# Allegro board 1281021_HW-FMC-XM500_Rev1_0.brd (continued)
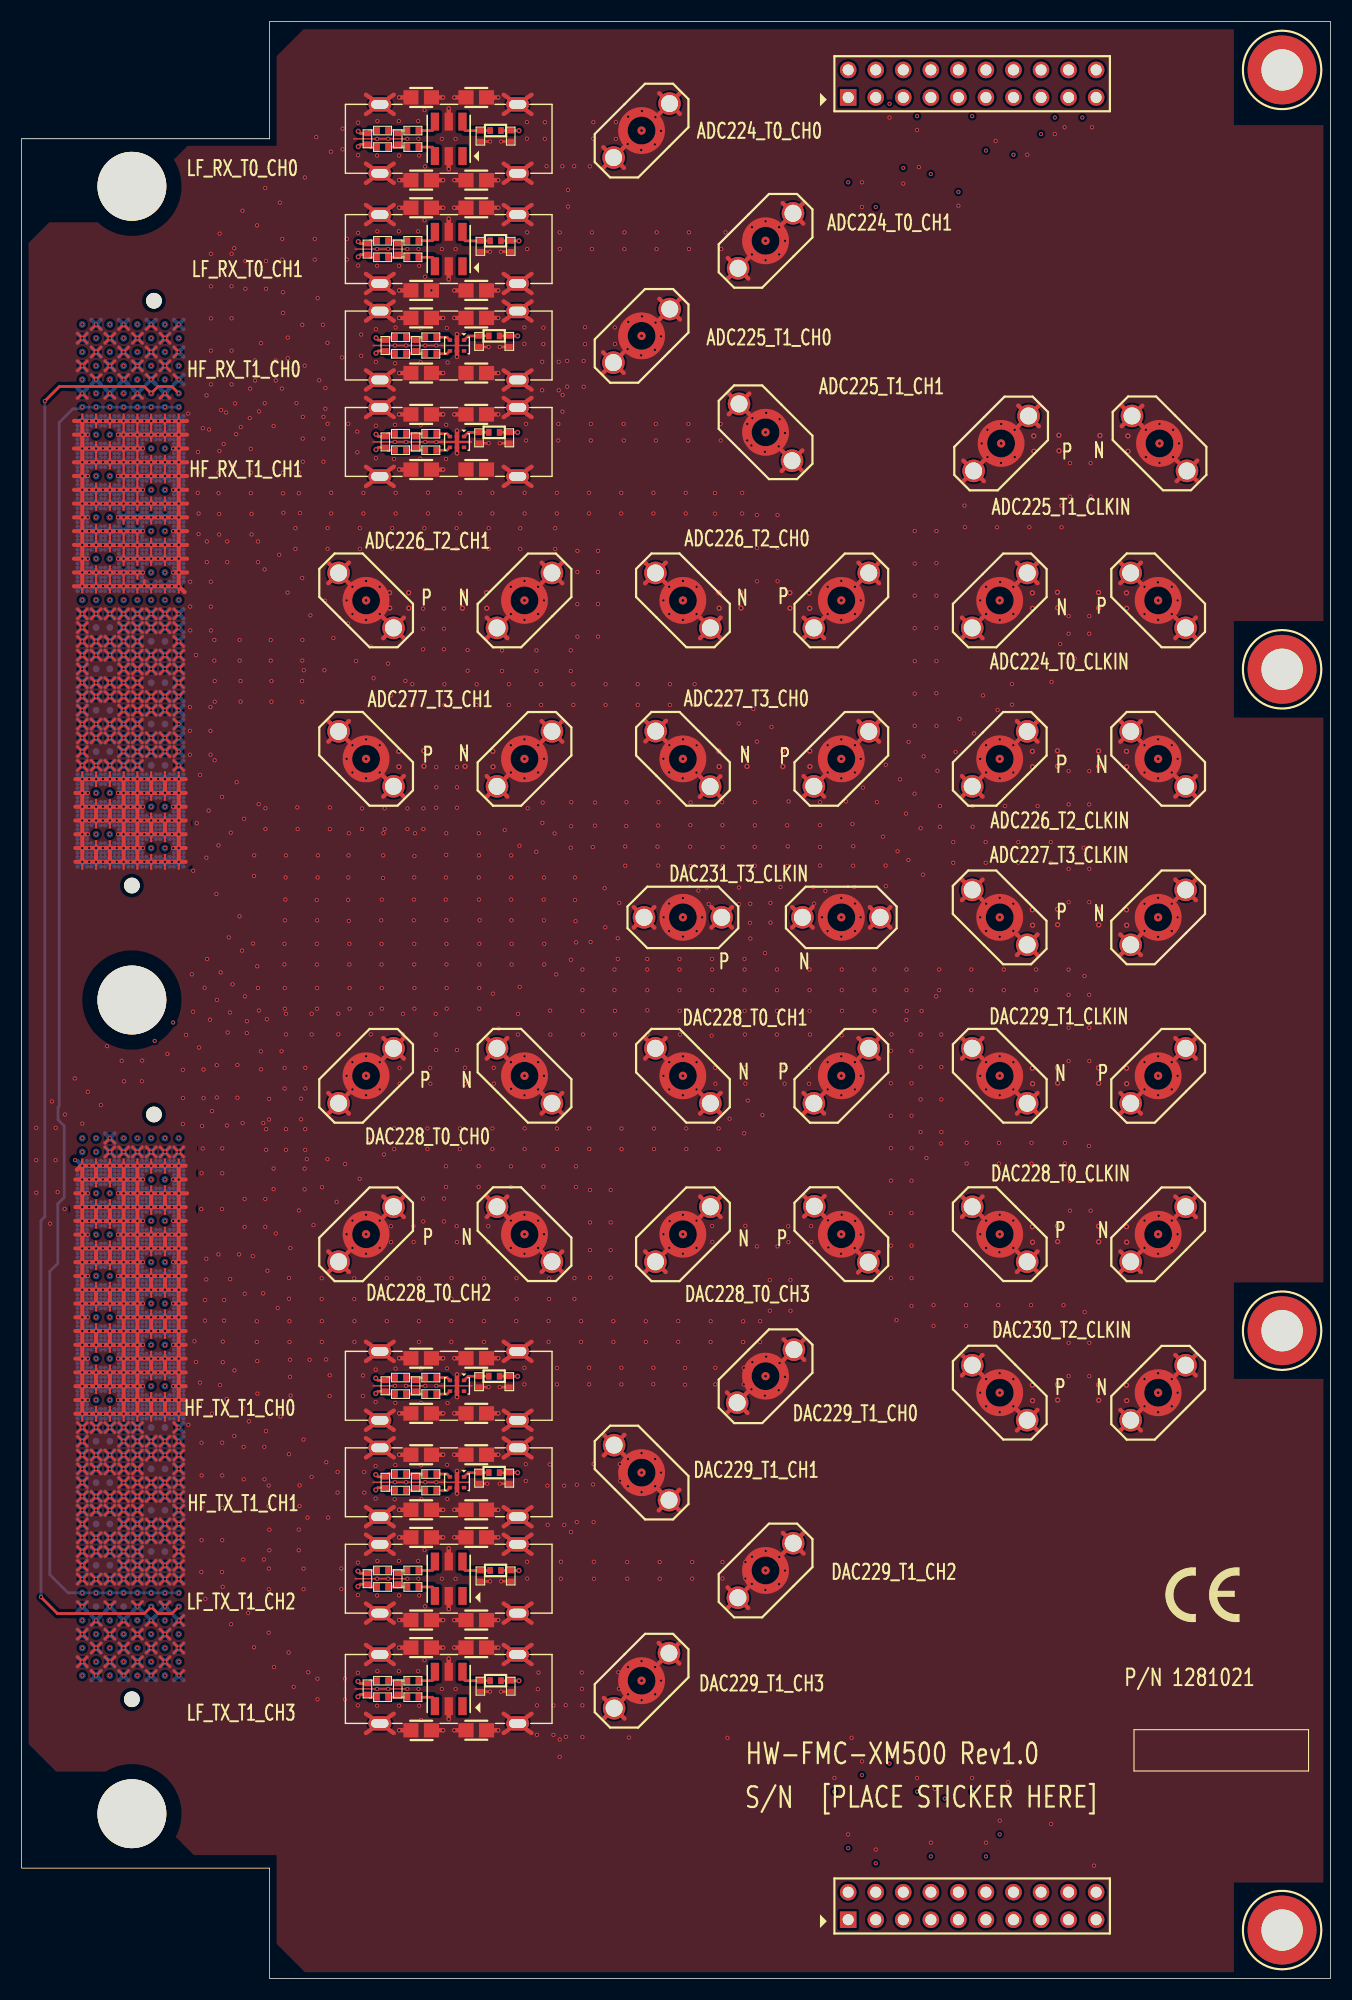
[diagram p0: board, top side]
## Routing (per net, layer and track width the routed paths; a pad name or vN(x,y) marks a point on that pad's centre or on a via; arc(x,y) is an arc through that point) (continued)
J36.2 64.42,110.79 ; J36.2 64.42,108.89 ; J36.2 62.52,108.89 ; J36.2 62.52,110.79 ; J4.3 55.52,168.77 ; J4.3 55.52,166.87 ; J4.3 53.62,166.87 ; J4.3 53.62,168.77 ; v2(14.48,27.91) 14.82,28.25 ; v2(14.48,27.91) 14.82,27.56 ; v2(14.48,27.91) 14.14,28.25 ; v2(14.48,27.91) 14.14,27.56 ; v2(10.67,146.08) 11.01,146.43 ; v2(10.67,146.08) 10.33,146.43 ; v2(10.67,146.08) 11.01,145.74 ; v2(10.67,146.08) 10.33,145.74 ; J39.2 30.17,113.98 ; J39.2 28.27,113.98 ; J39.2 30.17,115.88 ; J39.2 28.27,115.88 ; 12.87,120.34 v2(13.21,120.68) ; v2(13.21,120.68) 13.55,121.03 ; v2(13.21,120.68) 12.87,121.03 ; v2(13.21,120.68) 13.55,120.34 ; 28.27,81.6 J26.3 ; J26.3 30.17,79.7 ; J26.3 28.27,79.7 ; J26.3 30.17,81.6 ; 5.25,47.3 v2(5.59,46.96) ; v2(5.59,46.96) 5.93,46.61 ; v2(5.59,46.96) 5.93,47.3 ; v2(5.59,46.96) 5.25,46.61 ; 7.79,43.49 v2(8.13,43.15) ; v2(8.13,43.15) 8.47,43.49 ; v2(8.13,43.15) 8.47,42.8 ; v2(8.13,43.15) 7.79,42.8 ; v2(13.21,76.17) 13.55,75.82 ; v2(13.21,76.17) 12.87,76.51 ; v2(13.21,76.17) 12.87,75.82 ; v2(13.21,76.17) 13.55,76.51 ; v2(6.86,40.61) 7.2,40.95 ; v2(6.86,40.61) 6.52,40.26 ; v2(6.86,40.61) 7.2,40.26 ; v2(6.86,40.61) 6.52,40.95 ; 44.44,22.6 RFCAGE1.2 ; RFCAGE1.2 47,22.6 ; RFCAGE1.2 47,24.39 ; RFCAGE1.2 44.44,24.39 ; J23.3 44.77,70.16 ; J23.3 42.87,72.06 ; J23.3 44.77,72.06 ; J23.3 42.87,70.16 ; 10.33,47.3 v2(10.67,46.96) ; v2(10.67,46.96) 11.01,47.3 ; v2(10.67,46.96) 10.33,46.61 ; v2(10.67,46.96) 11.01,46.61 ; J34.3 30.17,130.48 ; J34.3 28.27,130.48 ; J34.3 30.17,128.58 ; J34.3 28.27,128.58 ; 57.5,115.9 J36.3 ; J36.3 57.5,114 ; J36.3 59.4,114 ; J36.3 59.4,115.9 ; RFCAGE5.4 34.3,145.67 ; RFCAGE5.4 31.74,145.67 ; RFCAGE5.4 31.74,143.89 ; RFCAGE5.4 34.3,143.89 ; 11.6,30.79 v2(11.94,30.45) ; v2(11.94,30.45) 12.28,30.1 ; v2(11.94,30.45) 11.6,30.1 ; v2(11.94,30.45) 12.28,30.79 ; 5.25,115.26 v2(5.59,115.6) ; v2(5.59,115.6) 5.93,115.95 ; v2(5.59,115.6) 5.25,115.95 ; v2(5.59,115.6) 5.93,115.26 ; J891.2 93.65,96.21 ; J891.2 93.65,94.31 ; J891.2 91.75,94.31 ; J891.2 91.75,96.21 ; 31.74,41.65 RFCAGE3.1 ; RFCAGE3.1 31.74,43.44 ; RFCAGE3.1 34.3,41.65 ; RFCAGE3.1 34.3,43.44 ; J40.3 49.84,113.98 ; J40.3 49.84,115.88 ; J40.3 47.94,113.98 ; J40.3 47.94,115.88 ; v2(10.67,125.76) 11.01,126.11 ; v2(10.67,125.76) 10.33,126.11 ; v2(10.67,125.76) 11.01,125.42 ; v2(10.67,125.76) 10.33,125.42 ; RFCAGE6.2 47,148.21 ; RFCAGE6.2 44.44,148.21 ; RFCAGE6.2 47,146.43 ; RFCAGE6.2 44.44,146.43 ; 9.06,30.1 v2(9.4,30.45) ; v2(9.4,30.45) 9.74,30.79 ; v2(9.4,30.45) 9.74,30.1 ; v2(9.4,30.45) 9.06,30.79 ; J27.2 49.84,79.7 ; J27.2 49.84,81.6 ; J27.2 47.94,81.6 ; J27.2 47.94,79.7 ; v2(8.13,125.76) 8.47,126.11 ; v2(8.13,125.76) 7.79,125.42 ; v2(8.13,125.76) 7.79,126.11 ; v2(8.13,125.76) 8.47,125.42 ; 10.33,40.95 v2(10.67,40.61) ; v2(10.67,40.61) 10.33,40.26 ; v2(10.67,40.61) 11.01,40.95 ; v2(10.67,40.61) 11.01,40.26 ; 12.87,28.83 v2(13.21,29.18) ; v2(13.21,29.18) 12.87,29.52 ; v2(13.21,29.18) 13.55,28.83 ; v2(13.21,29.18) 13.55,29.52 ; v2(9.4,50.77) 9.74,50.42 ; v2(9.4,50.77) 9.06,51.11 ; v2(9.4,50.77) 9.06,50.42 ; v2(9.4,50.77) 9.74,51.11 ; v2(8.13,123.22) 8.47,123.57 ; v2(8.13,123.22) 7.79,123.57 ; v2(8.13,123.22) 8.47,122.88 ; v2(8.13,123.22) 7.79,122.88 ; 31.74,24.39 RFCAGE1.1 ; RFCAGE1.1 34.3,24.39 ; RFCAGE1.1 34.3,22.6 ; RFCAGE1.1 31.74,22.6 ; 14.14,124.84 v2(14.48,124.49) ; v2(14.48,124.49) 14.82,124.84 ; v2(14.48,124.49) 14.14,124.15 ; v2(14.48,124.49) 14.82,124.15 ; v2(8.13,111.79) 8.47,111.45 ; v2(8.13,111.79) 7.79,111.45 ; v2(8.13,111.79) 7.79,112.14 ; v2(8.13,111.79) 8.47,112.14 ; v2(8.13,36.8) 8.47,36.45 ; v2(8.13,36.8) 7.79,37.14 ; v2(8.13,36.8) 7.79,36.45 ; v2(8.13,36.8) 8.47,37.14 ; v2(5.59,111.79) 5.93,111.45 ; v2(5.59,111.79) 5.25,111.45 ; v2(5.59,111.79) 5.25,112.14 ; v2(5.59,111.79) 5.93,112.14 ; v2(5.59,124.49) 5.93,124.15 ; v2(5.59,124.49) 5.25,124.84 ; v2(5.59,124.49) 5.25,124.15 ; v2(5.59,124.49) 5.93,124.84 ; v2(9.4,125.76) 9.74,126.11 ; v2(9.4,125.76) 9.06,125.42 ; v2(9.4,125.76) 9.74,125.42 ; v2(9.4,125.76) 9.06,126.11 ; 9.06,116.53 v2(9.4,116.87) ; v2(9.4,116.87) 9.74,117.22 ; v2(9.4,116.87) 9.06,117.22 ; v2(9.4,116.87) 9.74,116.53 ; 11.6,42.22 v2(11.94,41.88) ; v2(11.94,41.88) 11.6,41.53 ; v2(11.94,41.88) 12.28,42.22 ; v2(11.94,41.88) 12.28,41.53 ; J30.2 103.19,130.48 ; J30.2 101.29,130.48 ; J30.2 101.29,128.58 ; J30.2 103.19,128.58 ; 11.6,120.34 v2(11.94,120.68) ; v2(11.94,120.68) 11.6,121.03 ; v2(11.94,120.68) 12.28,120.34 ; v2(11.94,120.68) 12.28,121.03 ; 5.25,33.91 v2(5.59,34.26) ; v2(5.59,34.26) 5.93,34.6 ; v2(5.59,34.26) 5.93,33.91 ; v2(5.59,34.26) 5.25,34.6 ; v2(13.21,34.26) 13.55,33.91 ; v2(13.21,34.26) 12.87,34.6 ; v2(13.21,34.26) 12.87,33.91 ; v2(13.21,34.26) 13.55,34.6 ; v2(14.48,147.35) 14.82,147.7 ; v2(14.48,147.35) 14.14,147.7 ; v2(14.48,147.35) 14.82,147.01 ; v2(14.48,147.35) 14.14,147.01 ; 5.25,116.53 v2(5.59,116.87) ; v2(5.59,116.87) 5.93,117.22 ; v2(5.59,116.87) 5.25,117.22 ; v2(5.59,116.87) 5.93,116.53 ; v2(8.13,50.77) 8.47,50.42 ; v2(8.13,50.77) 8.47,51.11 ; v2(8.13,50.77) 7.79,50.42 ; v2(8.13,50.77) 7.79,51.11 ; 31.74,137.54 RFCAGE5.1 ; RFCAGE5.1 31.74,139.32 ; RFCAGE5.1 34.3,139.32 ; RFCAGE5.1 34.3,137.54 ; v2(9.4,120.68) 9.74,120.34 ; v2(9.4,120.68) 9.06,121.03 ; v2(9.4,120.68) 9.74,121.03 ; v2(9.4,120.68) 9.06,120.34 ; 14.14,36.45 v2(14.48,36.8) ; v2(14.48,36.8) 14.82,36.45 ; v2(14.48,36.8) 14.14,37.14 ; v2(14.48,36.8) 14.82,37.14 ; 86.69,70.16 J28.2 ; J28.2 88.59,72.06 ; J28.2 88.59,70.16 ; J28.2 86.69,72.06 ; 6.52,42.8 v2(6.86,43.15) ; v2(6.86,43.15) 7.2,43.49 ; v2(6.86,43.15) 6.52,43.49 ; v2(6.86,43.15) 7.2,42.8 ; J2.2 60.7,152.9 ; J2.2 60.7,154.8 ; J2.2 58.79,152.9 ; J2.2 58.79,154.8 ; 11.6,75.82 v2(11.94,76.17) ; v2(11.94,76.17) 11.6,76.51 ; v2(11.94,76.17) 12.28,75.82 ; v2(11.94,76.17) 12.28,76.51 ; v2(13.21,148.62) 13.55,148.97 ; v2(13.21,148.62) 13.55,148.28 ; v2(13.21,148.62) 12.87,148.97 ; v2(13.21,148.62) 12.87,148.28 ; 11.6,150.24 v2(11.94,149.89) ; v2(11.94,149.89) 12.28,150.24 ; v2(11.94,149.89) 11.6,149.55 ; v2(11.94,149.89) 12.28,149.55 ; 44.44,145.67 RFCAGE5.3 ; RFCAGE5.3 47,145.67 ; RFCAGE5.3 44.44,143.89 ; RFCAGE5.3 47,143.89 ; v2(6.86,27.91) 7.2,27.56 ; v2(6.86,27.91) 6.52,27.56 ; v2(6.86,27.91) 6.52,28.25 ; v2(6.86,27.91) 7.2,28.25 ; 9.06,115.95 v2(9.4,115.6) ; v2(9.4,115.6) 9.74,115.26 ; v2(9.4,115.6) 9.74,115.95 ; v2(9.4,115.6) 9.06,115.26 ; 5.25,42.22 v2(5.59,41.88) ; v2(5.59,41.88) 5.25,41.53 ; v2(5.59,41.88) 5.93,41.53 ; v2(5.59,41.88) 5.93,42.22 ; v2(5.59,121.95) 5.93,122.3 ; v2(5.59,121.95) 5.25,121.61 ; v2(5.59,121.95) 5.25,122.3 ; v2(5.59,121.95) 5.93,121.61 ; 6.52,44.76 v2(6.86,44.42) ; v2(6.86,44.42) 7.2,44.76 ; v2(6.86,44.42) 7.2,44.07 ; v2(6.86,44.42) 6.52,44.07 ; J30.3 108.26,123.52 ; J30.3 106.36,125.42 ; J30.3 106.36,123.52 ; J30.3 108.26,125.42 ; RFCAGE4.1 34.3,52.33 ; RFCAGE4.1 31.74,50.54 ; RFCAGE4.1 31.74,52.33 ; RFCAGE4.1 34.3,50.54 ; v2(14.48,119.41) 14.82,119.07 ; v2(14.48,119.41) 14.82,119.76 ; v2(14.48,119.41) 14.14,119.07 ; v2(14.48,119.41) 14.14,119.76 ; v2(11.94,40.61) 12.28,40.26 ; v2(11.94,40.61) 11.6,40.95 ; v2(11.94,40.61) 11.6,40.26 ; v2(11.94,40.61) 12.28,40.95 ; 9.06,40.95 v2(9.4,40.61) ; v2(9.4,40.61) 9.74,40.26 ; v2(9.4,40.61) 9.06,40.26 ; v2(9.4,40.61) 9.74,40.95 ; v2(14.48,38.07) 14.82,37.72 ; v2(14.48,38.07) 14.14,37.72 ; v2(14.48,38.07) 14.82,38.41 ; v2(14.48,38.07) 14.14,38.41 ; 5.25,45.34 v2(5.59,45.69) ; v2(5.59,45.69) 5.25,46.03 ; v2(5.59,45.69) 5.93,46.03 ; v2(5.59,45.69) 5.93,45.34 ; RFCAGE4.3 47,58.68 ; RFCAGE4.3 44.44,56.89 ; RFCAGE4.3 47,56.89 ; RFCAGE4.3 44.44,58.68 ; 31.74,161.67 RFCAGE7.4 ; RFCAGE7.4 31.74,163.45 ; RFCAGE7.4 34.3,161.67 ; RFCAGE7.4 34.3,163.45 ; v2(10.67,115.6) 11.01,115.26 ; v2(10.67,115.6) 10.33,115.26 ; v2(10.67,115.6) 10.33,115.95 ; v2(10.67,115.6) 11.01,115.95 ; 6.52,47.88 v2(6.86,48.23) ; v2(6.86,48.23) 7.2,48.57 ; v2(6.86,48.23) 7.2,47.88 ; v2(6.86,48.23) 6.52,48.57 ; v2(6.86,50.77) 7.2,50.42 ; v2(6.86,50.77) 6.52,50.42 ; v2(6.86,50.77) 7.2,51.11 ; v2(6.86,50.77) 6.52,51.11 ; J899.2 72.93,98.74 ; J899.2 71.03,98.74 ; J899.2 71.03,96.84 ; J899.2 72.93,96.84 ; 28.27,65.1 J22.2 ; J22.2 30.17,67 ; J22.2 28.27,67 ; J22.2 30.17,65.1 ; 7.79,148.97 v2(8.13,148.62) ; v2(8.13,148.62) 8.47,148.97 ; v2(8.13,148.62) 7.79,148.28 ; v2(8.13,148.62) 8.47,148.28 ; v2(6.86,111.79) 7.2,112.14 ; v2(6.86,111.79) 6.52,111.45 ; v2(6.86,111.79) 7.2,111.45 ; v2(6.86,111.79) 6.52,112.14 ; v2(14.48,115.6) 14.82,115.26 ; v2(14.48,115.6) 14.82,115.95 ; v2(14.48,115.6) 14.14,115.26 ; v2(14.48,115.6) 14.14,115.95 ; 11.6,116.53 v2(11.94,116.87) ; v2(11.94,116.87) 12.28,116.53 ; v2(11.94,116.87) 11.6,117.22 ; v2(11.94,116.87) 12.28,117.22 ; 101.29,79.7 J896.2 ; J896.2 103.19,81.6 ; J896.2 101.29,81.6 ; J896.2 103.19,79.7 ; J32.2 64.44,123.52 ; J32.2 64.44,125.42 ; J32.2 62.54,125.42 ; J32.2 62.54,123.52 ; 11.6,117.8 v2(11.94,118.14) ; v2(11.94,118.14) 12.28,117.8 ; v2(11.94,118.14) 12.28,118.49 ; v2(11.94,118.14) 11.6,118.49 ; 70.18,41.05 J5.2 ; J5.2 72.08,39.15 ; J5.2 70.18,39.15 ; J5.2 72.08,41.05 ; 10.33,112.14 v2(10.67,111.79) ; v2(10.67,111.79) 11.01,111.45 ; v2(10.67,111.79) 11.01,112.14 ; v2(10.67,111.79) 10.33,111.45 ; 5.25,49.15 v2(5.59,49.5) ; v2(5.59,49.5) 5.93,49.84 ; v2(5.59,49.5) 5.25,49.84 ; v2(5.59,49.5) 5.93,49.15 ; v2(10.67,119.41) 11.01,119.76 ; v2(10.67,119.41) 11.01,119.07 ; v2(10.67,119.41) 10.33,119.07 ; v2(10.67,119.41) 10.33,119.76 ; 14.14,32.64 v2(14.48,32.99) ; v2(14.48,32.99) 14.82,32.64 ; v2(14.48,32.99) 14.14,33.33 ; v2(14.48,32.99) 14.82,33.33 ; 12.87,114.68 v2(13.21,114.33) ; v2(13.21,114.33) 12.87,113.99 ; v2(13.21,114.33) 13.55,114.68 ; v2(13.21,114.33) 13.55,113.99 ; v2(14.48,149.89) 14.82,149.55 ; v2(14.48,149.89) 14.14,150.24 ; v2(14.48,149.89) 14.82,150.24 ; v2(14.48,149.89) 14.14,149.55 ; 6.52,150.24 v2(6.86,149.89) ; v2(6.86,149.89) 7.2,150.24 ; v2(6.86,149.89) 7.2,149.55 ; v2(6.86,149.89) 6.52,149.55 ; 14.14,49.84 v2(14.48,49.5) ; v2(14.48,49.5) 14.82,49.15 ; v2(14.48,49.5) 14.82,49.84 ; v2(14.48,49.5) 14.14,49.15 ; v2(11.94,48.23) 12.28,48.57 ; v2(11.94,48.23) 12.28,47.88 ; v2(11.94,48.23) 11.6,48.57 ; v2(11.94,48.23) 11.6,47.88 ; v2(9.4,27.91) 9.74,28.25 ; v2(9.4,27.91) 9.06,27.56 ; v2(9.4,27.91) 9.74,27.56 ; v2(9.4,27.91) 9.06,28.25 ; v2(13.21,113.06) 13.55,113.41 ; v2(13.21,113.06) 13.55,112.72 ; v2(13.21,113.06) 12.87,113.41 ; v2(13.21,113.06) 12.87,112.72 ; J890.2 103.32,143.05 ; J890.2 103.32,144.95 ; J890.2 101.42,144.95 ; J890.2 101.42,143.05 ; v2(14.48,121.95) 14.82,121.61 ; v2(14.48,121.95) 14.14,122.3 ; v2(14.48,121.95) 14.82,122.3 ; v2(14.48,121.95) 14.14,121.61 ; v2(6.86,36.8) 7.2,36.45 ; v2(6.86,36.8) 6.52,36.45 ; v2(6.86,36.8) 6.52,37.14 ; v2(6.86,36.8) 7.2,37.14 ; 11.6,37.14 v2(11.94,36.8) ; v2(11.94,36.8) 12.28,37.14 ; v2(11.94,36.8) 11.6,36.45 ; v2(11.94,36.8) 12.28,36.45 ; v2(14.48,113.06) 14.82,112.72 ; v2(14.48,113.06) 14.82,113.41 ; v2(14.48,113.06) 14.14,112.72 ; v2(14.48,113.06) 14.14,113.41 ; J21.2 64.44,81.6 ; J21.2 62.54,81.6 ; J21.2 62.54,79.7 ; J21.2 64.44,79.7 ; J40.2 44.77,108.91 ; J40.2 42.87,110.81 ; J40.2 44.77,110.81 ; J40.2 42.87,108.91 ; J7.3 66.91,52.1 ; J7.3 65.01,52.1 ; J7.3 66.91,54 ; J7.3 65.01,54 ; 12.87,44.76 v2(13.21,44.42) ; v2(13.21,44.42) 12.87,44.07 ; v2(13.21,44.42) 13.55,44.76 ; v2(13.21,44.42) 13.55,44.07 ; 11.6,49.84 v2(11.94,49.5) ; v2(11.94,49.5) 11.6,49.15 ; v2(11.94,49.5) 12.28,49.15 ; v2(11.94,49.5) 12.28,49.84 ; J897.2 103.19,50.49 ; J897.2 103.19,52.39 ; J897.2 101.29,52.39 ; J897.2 101.29,50.49 ; RFCAGE7.3 47,163.45 ; RFCAGE7.3 44.44,161.67 ; RFCAGE7.3 47,161.67 ; RFCAGE7.3 44.44,163.45 ; 5.25,119.76 v2(5.59,119.41) ; v2(5.59,119.41) 5.93,119.07 ; v2(5.59,119.41) 5.25,119.07 ; v2(5.59,119.41) 5.93,119.76 ; v2(11.94,32.99) 12.28,33.33 ; v2(11.94,32.99) 12.28,32.64 ; v2(11.94,32.99) 11.6,32.64 ; v2(11.94,32.99) 11.6,33.33 ; 14.14,152.09 v2(14.48,152.43) ; v2(14.48,152.43) 14.82,152.09 ; v2(14.48,152.43) 14.82,152.78 ; v2(14.48,152.43) 14.14,152.78 ; J35.2 44.77,123.52 ; J35.2 44.77,125.42 ; J35.2 42.87,125.42 ; J35.2 42.87,123.52 ; v2(10.67,43.15) 11.01,43.49 ; v2(10.67,43.15) 11.01,42.8 ; v2(10.67,43.15) 10.33,42.8 ; v2(10.67,43.15) 10.33,43.49 ; v2(5.59,43.15) 5.93,42.8 ; v2(5.59,43.15) 5.25,43.49 ; v2(5.59,43.15) 5.25,42.8 ; v2(5.59,43.15) 5.93,43.49 ; 9.06,117.8 v2(9.4,118.14) ; v2(9.4,118.14) 9.74,118.49 ; v2(9.4,118.14) 9.74,117.8 ; v2(9.4,118.14) 9.06,118.49 ; v2(5.59,146.08) 5.93,145.74 ; v2(5.59,146.08) 5.93,146.43 ; v2(5.59,146.08) 5.25,145.74 ; v2(5.59,146.08) 5.25,146.43 ; 58.73,29.02 J6.2 ; J6.2 60.63,29.02 ; J6.2 60.63,30.92 ; J6.2 58.73,30.92 ; v2(14.48,114.33) 14.82,113.99 ; v2(14.48,114.33) 14.14,114.68 ; v2(14.48,114.33) 14.14,113.99 ; v2(14.48,114.33) 14.82,114.68 ; v2(9.4,32.99) 9.74,32.64 ; v2(9.4,32.99) 9.06,32.64 ; v2(9.4,32.99) 9.06,33.33 ; v2(9.4,32.99) 9.74,33.33 ; 31.74,28.95 RFCAGE1.4 ; RFCAGE1.4 31.74,30.74 ; RFCAGE1.4 34.3,28.95 ; RFCAGE1.4 34.3,30.74 ; 44.44,40.9 RFCAGE2.3 ; RFCAGE2.3 44.44,39.11 ; RFCAGE2.3 47,39.11 ; RFCAGE2.3 47,40.9 ; v2(10.67,49.5) 11.01,49.84 ; v2(10.67,49.5) 11.01,49.15 ; v2(10.67,49.5) 10.33,49.15 ; v2(10.67,49.5) 10.33,49.84 ; v2(8.13,40.61) 8.47,40.26 ; v2(8.13,40.61) 7.79,40.26 ; v2(8.13,40.61) 8.47,40.95 ; v2(8.13,40.61) 7.79,40.95 ; 5.25,48.57 v2(5.59,48.23) ; v2(5.59,48.23) 5.25,47.88 ; v2(5.59,48.23) 5.93,47.88 ; v2(5.59,48.23) 5.93,48.57 ; 6.52,46.61 v2(6.86,46.96) ; v2(6.86,46.96) 7.2,47.3 ; v2(6.86,46.96) 7.2,46.61 ; v2(6.86,46.96) 6.52,47.3 ; 77.15,113.98 J37.2 ; J37.2 79.05,115.88 ; J37.2 77.15,115.88 ; J37.2 79.05,113.98 ; 9.06,38.99 v2(9.4,39.34) ; v2(9.4,39.34) 9.06,39.68 ; v2(9.4,39.34) 9.74,39.68 ; v2(9.4,39.34) 9.74,38.99 ; 14.14,42.8 v2(14.48,43.15) ; v2(14.48,43.15) 14.14,43.49 ; v2(14.48,43.15) 14.82,42.8 ; v2(14.48,43.15) 14.82,43.49 ; J895.3 93.65,81.6 ; J895.3 93.65,79.7 ; J895.3 91.75,81.6 ; J895.3 91.75,79.7 ; v2(11.94,113.06) 12.28,112.72 ; v2(11.94,113.06) 11.6,112.72 ; v2(11.94,113.06) 11.6,113.41 ; v2(11.94,113.06) 12.28,113.41 ; v2(8.13,29.18) 8.47,28.83 ; v2(8.13,29.18) 8.47,29.52 ; v2(8.13,29.18) 7.79,29.52 ; v2(8.13,29.18) 7.79,28.83 ; v2(6.86,114.33) 7.2,113.99 ; v2(6.86,114.33) 6.52,113.99 ; v2(6.86,114.33) 6.52,114.68 ; v2(6.86,114.33) 7.2,114.68 ; v2(8.13,34.26) 8.47,33.91 ; v2(8.13,34.26) 7.79,34.6 ; v2(8.13,34.26) 8.47,34.6 ; v2(8.13,34.26) 7.79,33.91 ; 6.52,147.7 v2(6.86,147.35) ; v2(6.86,147.35) 6.52,147.01 ; v2(6.86,147.35) 7.2,147.01 ; v2(6.86,147.35) 7.2,147.7 ; 14.14,41.53 v2(14.48,41.88) ; v2(14.48,41.88) 14.14,42.22 ; v2(14.48,41.88) 14.82,42.22 ; v2(14.48,41.88) 14.82,41.53 ; 44.44,34.55 RFCAGE2.2 ; RFCAGE2.2 44.44,32.76 ; RFCAGE2.2 47,32.76 ; RFCAGE2.2 47,34.55 ; 56.43,96.84 J900.2 ; J900.2 56.43,98.74 ; J900.2 58.33,98.74 ; J900.2 58.33,96.84 ; 5.25,118.49 v2(5.59,118.14) ; v2(5.59,118.14) 5.25,117.8 ; v2(5.59,118.14) 5.93,117.8 ; v2(5.59,118.14) 5.93,118.49 ; J898.2 88.59,55.56 ; J898.2 86.69,55.56 ; J898.2 88.59,57.46 ; J898.2 86.69,57.46 ; 12.87,40.26 v2(13.21,40.61) ; v2(13.21,40.61) 13.55,40.26 ; v2(13.21,40.61) 13.55,40.95 ; v2(13.21,40.61) 12.87,40.95